# Allegro board LED_FIN.brd (continued)
## Routing (per net, layer and track width the routed paths; a pad name or vN(x,y) marks a point on that pad's centre or on a via; arc(x,y) is an arc through that point) (continued)
COL_OUT_A8: length 259.4
  TOP w0.15: D3742.1 v1(261.25,372.8) ; D4072.1 v1(261.25,350.8) ; D3682.1 v1(261.25,376.8) ; D4432.1 v1(261.25,326.8) ; D3832.1 v1(261.25,366.8) ; D3982.1 v1(261.25,356.8) ; D4282.1 v1(261.25,336.8) ; D4192.1 v1(261.25,342.8) ; D3652.1 v1(261.25,378.8) ; D3922.1 v1(261.25,360.8) ; D3562.1 v1(261.25,384.8) ; D4042.1 v1(261.25,352.8) ; D3472.1 v1(261.25,390.8) ; D3952.1 v1(261.25,358.8) ; D3532.1 v1(261.25,386.8) ; D4342.1 v1(261.25,332.8) ; D4222.1 v1(261.25,340.8) ; D4372.1 v1(261.25,330.8) ; D4102.1 v1(261.25,348.8) ; D4312.1 v1(261.25,334.8) ; D4012.1 v1(261.25,354.8) ; D4132.1 v1(261.25,346.8) ; D3442.1 v1(261.25,392.8) ; D3772.1 v1(261.25,370.8) ; D3502.1 v1(261.25,388.8) ; D4462.1 v1(261.25,324.8) ; v1(259.95,161.1) R112.1 ; D3892.1 v1(261.25,362.8) ; D3592.1 v1(261.25,382.8) ; D4252.1 v1(261.25,338.8) ; D3622.1 v1(261.25,380.8) ; D4162.1 v1(261.25,344.8) ; D3862.1 v1(261.25,364.8) ; D4402.1 v1(261.25,328.8) ; D4552.1 v1(261.25,318.8) ; D4522.1 v1(261.25,320.8) ; D3802.1 v1(261.25,368.8) ; D3712.1 v1(261.25,374.8) ; D4492.1 v1(261.25,322.8)
  BOTTOM w0.15: v1(261.25,392.8) v1(261.25,390.8) v1(261.25,388.8) v1(261.25,386.8) v1(261.25,384.8) v1(261.25,382.8) v1(261.25,380.8) v1(261.25,378.8) v1(261.25,376.8) v1(261.25,374.8) v1(261.25,372.8) v1(261.25,370.8) v1(261.25,368.8) v1(261.25,366.8) v1(261.25,364.8) v1(261.25,362.8) v1(261.25,360.8) v1(261.25,358.8) v1(261.25,356.8) v1(261.25,354.8) v1(261.25,352.8) v1(261.25,350.8) v1(261.25,348.8) v1(261.25,346.8) v1(261.25,344.8) v1(261.25,342.8) v1(261.25,340.8) v1(261.25,338.8) v1(261.25,336.8) v1(261.25,334.8) v1(261.25,332.8) v1(261.25,330.8) v1(261.25,328.8) v1(261.25,326.8) v1(261.25,324.8) v1(261.25,322.8) v1(261.25,320.8) v1(261.25,318.8) 259.95,317.5 v1(259.95,161.1)
COL_OUT_A9: length 259.4
  TOP w0.15: D4431.1 v1(259.25,326.8) ; D3471.1 v1(259.25,390.8) ; D4341.1 v1(259.25,332.8) ; D4161.1 v1(259.25,344.8) ; D3441.1 v1(259.25,392.8) ; D3741.1 v1(259.25,372.8) ; D4371.1 v1(259.25,330.8) ; D3681.1 v1(259.25,376.8) ; D4011.1 v1(259.25,354.8) ; D4521.1 v1(259.25,320.8) ; D4491.1 v1(259.25,322.8) ; D3831.1 v1(259.25,366.8) ; D4041.1 v1(259.25,352.8) ; D3891.1 v1(259.25,362.8) ; D4281.1 v1(259.25,336.8) ; D4551.1 v1(259.25,318.8) ; D3711.1 v1(259.25,374.8) ; D3531.1 v1(259.25,386.8) ; D4131.1 v1(259.25,346.8) ; D3501.1 v1(259.25,388.8) ; D4221.1 v1(259.25,340.8) ; D3771.1 v1(259.25,370.8) ; D4191.1 v1(259.25,342.8) ; D4101.1 v1(259.25,348.8) ; D4251.1 v1(259.25,338.8) ; D3801.1 v1(259.25,368.8) ; D3921.1 v1(259.25,360.8) ; D4461.1 v1(259.25,324.8) ; D4401.1 v1(259.25,328.8) ; D3951.1 v1(259.25,358.8) ; D3651.1 v1(259.25,378.8) ; D4311.1 v1(259.25,334.8) ; v1(257.95,161.1) R111.1 ; D4071.1 v1(259.25,350.8) ; D3981.1 v1(259.25,356.8) ; D3861.1 v1(259.25,364.8) ; D3561.1 v1(259.25,384.8) ; D3591.1 v1(259.25,382.8) ; D3621.1 v1(259.25,380.8)
  BOTTOM w0.15: v1(257.95,161.1) 257.95,317.5 v1(259.25,318.8) v1(259.25,320.8) v1(259.25,322.8) v1(259.25,324.8) v1(259.25,326.8) v1(259.25,328.8) v1(259.25,330.8) v1(259.25,332.8) v1(259.25,334.8) v1(259.25,336.8) v1(259.25,338.8) v1(259.25,340.8) v1(259.25,342.8) v1(259.25,344.8) v1(259.25,346.8) v1(259.25,348.8) v1(259.25,350.8) v1(259.25,352.8) v1(259.25,354.8) v1(259.25,356.8) v1(259.25,358.8) v1(259.25,360.8) v1(259.25,362.8) v1(259.25,364.8) v1(259.25,366.8) v1(259.25,368.8) v1(259.25,370.8) v1(259.25,372.8) v1(259.25,374.8) v1(259.25,376.8) v1(259.25,378.8) v1(259.25,380.8) v1(259.25,382.8) v1(259.25,384.8) v1(259.25,386.8) v1(259.25,388.8) v1(259.25,390.8) v1(259.25,392.8)
COL_OUT_A10: length 259.4
  TOP w0.15: D3500.1 v1(257.25,388.8) ; D4550.1 v1(257.25,318.8) ; D4370.1 v1(257.25,330.8) ; D3770.1 v1(257.25,370.8) ; D4520.1 v1(257.25,320.8) ; D4310.1 v1(257.25,334.8) ; D3740.1 v1(257.25,372.8) ; D4430.1 v1(257.25,326.8) ; D3680.1 v1(257.25,376.8) ; D3470.1 v1(257.25,390.8) ; D3800.1 v1(257.25,368.8) ; D4460.1 v1(257.25,324.8) ; D3620.1 v1(257.25,380.8) ; D4490.1 v1(257.25,322.8) ; D3590.1 v1(257.25,382.8) ; D3980.1 v1(257.25,356.8) ; D3440.1 v1(257.25,392.8) ; D3920.1 v1(257.25,360.8) ; D3530.1 v1(257.25,386.8) ; D4280.1 v1(257.25,336.8) ; D3710.1 v1(257.25,374.8) ; D4190.1 v1(257.25,342.8) ; D3950.1 v1(257.25,358.8) ; D3560.1 v1(257.25,384.8) ; D4130.1 v1(257.25,346.8) ; D4010.1 v1(257.25,354.8) ; D3860.1 v1(257.25,364.8) ; D4040.1 v1(257.25,352.8) ; D3650.1 v1(257.25,378.8) ; D3890.1 v1(257.25,362.8) ; D4220.1 v1(257.25,340.8) ; D4400.1 v1(257.25,328.8) ; D4340.1 v1(257.25,332.8) ; D4070.1 v1(257.25,350.8) ; v1(255.95,161.1) R110.1 ; D3830.1 v1(257.25,366.8) ; D4250.1 v1(257.25,338.8) ; D4100.1 v1(257.25,348.8) ; D4160.1 v1(257.25,344.8)
  BOTTOM w0.15: v1(257.25,392.8) v1(257.25,390.8) v1(257.25,388.8) v1(257.25,386.8) v1(257.25,384.8) v1(257.25,382.8) v1(257.25,380.8) v1(257.25,378.8) v1(257.25,376.8) v1(257.25,374.8) v1(257.25,372.8) v1(257.25,370.8) v1(257.25,368.8) v1(257.25,366.8) v1(257.25,364.8) v1(257.25,362.8) v1(257.25,360.8) v1(257.25,358.8) v1(257.25,356.8) v1(257.25,354.8) v1(257.25,352.8) v1(257.25,350.8) v1(257.25,348.8) v1(257.25,346.8) v1(257.25,344.8) v1(257.25,342.8) v1(257.25,340.8) v1(257.25,338.8) v1(257.25,336.8) v1(257.25,334.8) v1(257.25,332.8) v1(257.25,330.8) v1(257.25,328.8) v1(257.25,326.8) v1(257.25,324.8) v1(257.25,322.8) v1(257.25,320.8) v1(257.25,318.8) 255.95,317.5 v1(255.95,161.1)
COL_OUT_A11: length 259.4
  TOP w0.15: D3919.1 v1(255.25,360.8) ; D4069.1 v1(255.25,350.8) ; D4189.1 v1(255.25,342.8) ; D3979.1 v1(255.25,356.8) ; D3679.1 v1(255.25,376.8) ; D3769.1 v1(255.25,370.8) ; D3889.1 v1(255.25,362.8) ; D3439.1 v1(255.25,392.8) ; D3949.1 v1(255.25,358.8) ; D4129.1 v1(255.25,346.8) ; D4369.1 v1(255.25,330.8) ; D4159.1 v1(255.25,344.8) ; D4549.1 v1(255.25,318.8) ; D4309.1 v1(255.25,334.8) ; D4519.1 v1(255.25,320.8) ; v1(253.95,161.1) R109.1 ; D3859.1 v1(255.25,364.8) ; D3499.1 v1(255.25,388.8) ; D3649.1 v1(255.25,378.8) ; D4039.1 v1(255.25,352.8) ; D3799.1 v1(255.25,368.8) ; D3829.1 v1(255.25,366.8) ; D3529.1 v1(255.25,386.8) ; D4279.1 v1(255.25,336.8) ; D3739.1 v1(255.25,372.8) ; D4219.1 v1(255.25,340.8) ; D3709.1 v1(255.25,374.8) ; D4459.1 v1(255.25,324.8) ; D4339.1 v1(255.25,332.8) ; D4429.1 v1(255.25,326.8) ; D3589.1 v1(255.25,382.8) ; D4009.1 v1(255.25,354.8) ; D4399.1 v1(255.25,328.8) ; D4249.1 v1(255.25,338.8) ; D3619.1 v1(255.25,380.8) ; D4099.1 v1(255.25,348.8) ; D4489.1 v1(255.25,322.8) ; D3469.1 v1(255.25,390.8) ; D3559.1 v1(255.25,384.8)
  BOTTOM w0.15: v1(253.95,161.1) 253.95,317.5 v1(255.25,318.8) v1(255.25,320.8) v1(255.25,322.8) v1(255.25,324.8) v1(255.25,326.8) v1(255.25,328.8) v1(255.25,330.8) v1(255.25,332.8) v1(255.25,334.8) v1(255.25,336.8) v1(255.25,338.8) v1(255.25,340.8) v1(255.25,342.8) v1(255.25,344.8) v1(255.25,346.8) v1(255.25,348.8) v1(255.25,350.8) v1(255.25,352.8) v1(255.25,354.8) v1(255.25,356.8) v1(255.25,358.8) v1(255.25,360.8) v1(255.25,362.8) v1(255.25,364.8) v1(255.25,366.8) v1(255.25,368.8) v1(255.25,370.8) v1(255.25,372.8) v1(255.25,374.8) v1(255.25,376.8) v1(255.25,378.8) v1(255.25,380.8) v1(255.25,382.8) v1(255.25,384.8) v1(255.25,386.8) v1(255.25,388.8) v1(255.25,390.8) v1(255.25,392.8)
COL_OUT_A12: length 259.4
  TOP w0.15: D4278.1 v1(253.25,336.8) ; D4068.1 v1(253.25,350.8) ; D3438.1 v1(253.25,392.8) ; D3798.1 v1(253.25,368.8) ; D3618.1 v1(253.25,380.8) ; D3678.1 v1(253.25,376.8) ; D3528.1 v1(253.25,386.8) ; D4128.1 v1(253.25,346.8) ; D4098.1 v1(253.25,348.8) ; D4158.1 v1(253.25,344.8) ; D3948.1 v1(253.25,358.8) ; D4428.1 v1(253.25,326.8) ; D3918.1 v1(253.25,360.8) ; D3498.1 v1(253.25,388.8) ; D3468.1 v1(253.25,390.8) ; D3558.1 v1(253.25,384.8) ; D4518.1 v1(253.25,320.8) ; v1(251.95,161.1) R108.1 ; D4488.1 v1(253.25,322.8) ; D4008.1 v1(253.25,354.8) ; D4248.1 v1(253.25,338.8) ; D4218.1 v1(253.25,340.8) ; D3828.1 v1(253.25,366.8) ; D3768.1 v1(253.25,370.8) ; D4458.1 v1(253.25,324.8) ; D4038.1 v1(253.25,352.8) ; D4188.1 v1(253.25,342.8) ; D4548.1 v1(253.25,318.8) ; D3888.1 v1(253.25,362.8) ; D4338.1 v1(253.25,332.8) ; D3648.1 v1(253.25,378.8) ; D3738.1 v1(253.25,372.8) ; D3978.1 v1(253.25,356.8) ; D4398.1 v1(253.25,328.8) ; D3858.1 v1(253.25,364.8) ; D4368.1 v1(253.25,330.8) ; D4308.1 v1(253.25,334.8) ; D3708.1 v1(253.25,374.8) ; D3588.1 v1(253.25,382.8)
  BOTTOM w0.15: v1(251.95,161.1) 251.95,317.5 v1(253.25,318.8) v1(253.25,320.8) v1(253.25,322.8) v1(253.25,324.8) v1(253.25,326.8) v1(253.25,328.8) v1(253.25,330.8) v1(253.25,332.8) v1(253.25,334.8) v1(253.25,336.8) v1(253.25,338.8) v1(253.25,340.8) v1(253.25,342.8) v1(253.25,344.8) v1(253.25,346.8) v1(253.25,348.8) v1(253.25,350.8) v1(253.25,352.8) v1(253.25,354.8) v1(253.25,356.8) v1(253.25,358.8) v1(253.25,360.8) v1(253.25,362.8) v1(253.25,364.8) v1(253.25,366.8) v1(253.25,368.8) v1(253.25,370.8) v1(253.25,372.8) v1(253.25,374.8) v1(253.25,376.8) v1(253.25,378.8) v1(253.25,380.8) v1(253.25,382.8) v1(253.25,384.8) v1(253.25,386.8) v1(253.25,388.8) v1(253.25,390.8) v1(253.25,392.8)
COL_OUT_A13: length 259.4
  TOP w0.15: D3887.1 v1(251.25,362.8) ; D4277.1 v1(251.25,336.8) ; D3797.1 v1(251.25,368.8) ; D3947.1 v1(251.25,358.8) ; D4127.1 v1(251.25,346.8) ; D4307.1 v1(251.25,334.8) ; D4067.1 v1(251.25,350.8) ; D3917.1 v1(251.25,360.8) ; D4427.1 v1(251.25,326.8) ; v1(249.95,161.1) R107.1 ; D3527.1 v1(251.25,386.8) ; D3857.1 v1(251.25,364.8) ; D4337.1 v1(251.25,332.8) ; D3707.1 v1(251.25,374.8) ; D3647.1 v1(251.25,378.8) ; D3467.1 v1(251.25,390.8) ; D4247.1 v1(251.25,338.8) ; D3737.1 v1(251.25,372.8) ; D3677.1 v1(251.25,376.8) ; D4217.1 v1(251.25,340.8) ; D4397.1 v1(251.25,328.8) ; D3767.1 v1(251.25,370.8) ; D3827.1 v1(251.25,366.8) ; D3497.1 v1(251.25,388.8) ; D3437.1 v1(251.25,392.8) ; D4097.1 v1(251.25,348.8) ; D4007.1 v1(251.25,354.8) ; D4487.1 v1(251.25,322.8) ; D3617.1 v1(251.25,380.8) ; D3587.1 v1(251.25,382.8) ; D4457.1 v1(251.25,324.8) ; D4367.1 v1(251.25,330.8) ; D3557.1 v1(251.25,384.8) ; D4037.1 v1(251.25,352.8) ; D4157.1 v1(251.25,344.8) ; D4517.1 v1(251.25,320.8) ; D4547.1 v1(251.25,318.8) ; D4187.1 v1(251.25,342.8) ; D3977.1 v1(251.25,356.8)
  BOTTOM w0.15: v1(251.25,392.8) v1(251.25,390.8) v1(251.25,388.8) v1(251.25,386.8) v1(251.25,384.8) v1(251.25,382.8) v1(251.25,380.8) v1(251.25,378.8) v1(251.25,376.8) v1(251.25,374.8) v1(251.25,372.8) v1(251.25,370.8) v1(251.25,368.8) v1(251.25,366.8) v1(251.25,364.8) v1(251.25,362.8) v1(251.25,360.8) v1(251.25,358.8) v1(251.25,356.8) v1(251.25,354.8) v1(251.25,352.8) v1(251.25,350.8) v1(251.25,348.8) v1(251.25,346.8) v1(251.25,344.8) v1(251.25,342.8) v1(251.25,340.8) v1(251.25,338.8) v1(251.25,336.8) v1(251.25,334.8) v1(251.25,332.8) v1(251.25,330.8) v1(251.25,328.8) v1(251.25,326.8) v1(251.25,324.8) v1(251.25,322.8) v1(251.25,320.8) v1(251.25,318.8) 249.95,317.5 v1(249.95,161.1)
COL_OUT_A14: length 259.4
  TOP w0.15: D3496.1 v1(249.25,388.8) ; D3736.1 v1(249.25,372.8) ; D3706.1 v1(249.25,374.8) ; D3436.1 v1(249.25,392.8) ; D3916.1 v1(249.25,360.8) ; D4096.1 v1(249.25,348.8) ; D4426.1 v1(249.25,326.8) ; D4456.1 v1(249.25,324.8) ; D3466.1 v1(249.25,390.8) ; D4306.1 v1(249.25,334.8) ; D4126.1 v1(249.25,346.8) ; D4546.1 v1(249.25,318.8) ; D3946.1 v1(249.25,358.8) ; D4516.1 v1(249.25,320.8) ; D3676.1 v1(249.25,376.8) ; D3826.1 v1(249.25,366.8) ; D4006.1 v1(249.25,354.8) ; D4066.1 v1(249.25,350.8) ; D4036.1 v1(249.25,352.8) ; D3886.1 v1(249.25,362.8) ; D3586.1 v1(249.25,382.8) ; D3766.1 v1(249.25,370.8) ; D4276.1 v1(249.25,336.8) ; D3526.1 v1(249.25,386.8) ; D3856.1 v1(249.25,364.8) ; D3796.1 v1(249.25,368.8) ; D4156.1 v1(249.25,344.8) ; D3976.1 v1(249.25,356.8) ; v1(247.95,161.1) R106.1 ; D4246.1 v1(249.25,338.8) ; D4366.1 v1(249.25,330.8) ; D4396.1 v1(249.25,328.8) ; D4186.1 v1(249.25,342.8) ; D3646.1 v1(249.25,378.8) ; D3616.1 v1(249.25,380.8) ; D4486.1 v1(249.25,322.8) ; D3556.1 v1(249.25,384.8) ; D4216.1 v1(249.25,340.8) ; D4336.1 v1(249.25,332.8)
  BOTTOM w0.15: v1(247.95,161.1) 247.95,317.5 v1(249.25,318.8) v1(249.25,320.8) v1(249.25,322.8) v1(249.25,324.8) v1(249.25,326.8) v1(249.25,328.8) v1(249.25,330.8) v1(249.25,332.8) v1(249.25,334.8) v1(249.25,336.8) v1(249.25,338.8) v1(249.25,340.8) v1(249.25,342.8) v1(249.25,344.8) v1(249.25,346.8) v1(249.25,348.8) v1(249.25,350.8) v1(249.25,352.8) v1(249.25,354.8) v1(249.25,356.8) v1(249.25,358.8) v1(249.25,360.8) v1(249.25,362.8) v1(249.25,364.8) v1(249.25,366.8) v1(249.25,368.8) v1(249.25,370.8) v1(249.25,372.8) v1(249.25,374.8) v1(249.25,376.8) v1(249.25,378.8) v1(249.25,380.8) v1(249.25,382.8) v1(249.25,384.8) v1(249.25,386.8) v1(249.25,388.8) v1(249.25,390.8) v1(249.25,392.8)
COL_OUT_A15: length 259.4
  TOP w0.15: D3855.1 v1(247.25,364.8) ; D4515.1 v1(247.25,320.8) ; v1(245.95,161.1) R105.1 ; D3795.1 v1(247.25,368.8) ; D3975.1 v1(247.25,356.8) ; D4125.1 v1(247.25,346.8) ; D3555.1 v1(247.25,384.8) ; D3705.1 v1(247.25,374.8) ; D3495.1 v1(247.25,388.8) ; D3465.1 v1(247.25,390.8) ; D4305.1 v1(247.25,334.8) ; D3945.1 v1(247.25,358.8) ; D3525.1 v1(247.25,386.8) ; D4455.1 v1(247.25,324.8) ; D4245.1 v1(247.25,338.8) ; D3435.1 v1(247.25,392.8) ; D3645.1 v1(247.25,378.8) ; D4485.1 v1(247.25,322.8) ; D4185.1 v1(247.25,342.8) ; D4545.1 v1(247.25,318.8) ; D4365.1 v1(247.25,330.8) ; D4035.1 v1(247.25,352.8) ; D4275.1 v1(247.25,336.8) ; D3675.1 v1(247.25,376.8) ; D4425.1 v1(247.25,326.8) ; D4395.1 v1(247.25,328.8) ; D3735.1 v1(247.25,372.8) ; D4215.1 v1(247.25,340.8) ; D3765.1 v1(247.25,370.8) ; D4155.1 v1(247.25,344.8) ; D4005.1 v1(247.25,354.8) ; D3585.1 v1(247.25,382.8) ; D4335.1 v1(247.25,332.8) ; D4065.1 v1(247.25,350.8) ; D3615.1 v1(247.25,380.8) ; D3885.1 v1(247.25,362.8) ; D4095.1 v1(247.25,348.8) ; D3915.1 v1(247.25,360.8) ; D3825.1 v1(247.25,366.8)
  BOTTOM w0.15: v1(245.95,161.1) 245.95,317.5 v1(247.25,318.8) v1(247.25,320.8) v1(247.25,322.8) v1(247.25,324.8) v1(247.25,326.8) v1(247.25,328.8) v1(247.25,330.8) v1(247.25,332.8) v1(247.25,334.8) v1(247.25,336.8) v1(247.25,338.8) v1(247.25,340.8) v1(247.25,342.8) v1(247.25,344.8) v1(247.25,346.8) v1(247.25,348.8) v1(247.25,350.8) v1(247.25,352.8) v1(247.25,354.8) v1(247.25,356.8) v1(247.25,358.8) v1(247.25,360.8) v1(247.25,362.8) v1(247.25,364.8) v1(247.25,366.8) v1(247.25,368.8) v1(247.25,370.8) v1(247.25,372.8) v1(247.25,374.8) v1(247.25,376.8) v1(247.25,378.8) v1(247.25,380.8) v1(247.25,382.8) v1(247.25,384.8) v1(247.25,386.8) v1(247.25,388.8) v1(247.25,390.8) v1(247.25,392.8)
COL_OUT_A16: length 259.4
  TOP w0.15: D4064.1 v1(245.25,350.8) ; D3824.1 v1(245.25,366.8) ; D3614.1 v1(245.25,380.8) ; D4394.1 v1(245.25,328.8) ; D3914.1 v1(245.25,360.8) ; D4364.1 v1(245.25,330.8) ; D4304.1 v1(245.25,334.8) ; D3434.1 v1(245.25,392.8) ; D4454.1 v1(245.25,324.8) ; D3644.1 v1(245.25,378.8) ; D4004.1 v1(245.25,354.8) ; D3794.1 v1(245.25,368.8) ; D3554.1 v1(245.25,384.8) ; D3884.1 v1(245.25,362.8) ; D4274.1 v1(245.25,336.8) ; v1(243.95,161.1) R104.1 ; D4424.1 v1(245.25,326.8) ; D3704.1 v1(245.25,374.8) ; D3524.1 v1(245.25,386.8) ; D4244.1 v1(245.25,338.8) ; D4514.1 v1(245.25,320.8) ; D3944.1 v1(245.25,358.8) ; D3464.1 v1(245.25,390.8) ; D4214.1 v1(245.25,340.8) ; D4544.1 v1(245.25,318.8) ; D4184.1 v1(245.25,342.8) ; D3854.1 v1(245.25,364.8) ; D3974.1 v1(245.25,356.8) ; D4124.1 v1(245.25,346.8) ; D3764.1 v1(245.25,370.8) ; D4334.1 v1(245.25,332.8) ; D3734.1 v1(245.25,372.8) ; D4484.1 v1(245.25,322.8) ; D3674.1 v1(245.25,376.8) ; D3584.1 v1(245.25,382.8) ; D4154.1 v1(245.25,344.8) ; D4034.1 v1(245.25,352.8) ; D4094.1 v1(245.25,348.8) ; D3494.1 v1(245.25,388.8)
  BOTTOM w0.15: v1(245.25,392.8) v1(245.25,390.8) v1(245.25,388.8) v1(245.25,386.8) v1(245.25,384.8) v1(245.25,382.8) v1(245.25,380.8) v1(245.25,378.8) v1(245.25,376.8) v1(245.25,374.8) v1(245.25,372.8) v1(245.25,370.8) v1(245.25,368.8) v1(245.25,366.8) v1(245.25,364.8) v1(245.25,362.8) v1(245.25,360.8) v1(245.25,358.8) v1(245.25,356.8) v1(245.25,354.8) v1(245.25,352.8) v1(245.25,350.8) v1(245.25,348.8) v1(245.25,346.8) v1(245.25,344.8) v1(245.25,342.8) v1(245.25,340.8) v1(245.25,338.8) v1(245.25,336.8) v1(245.25,334.8) v1(245.25,332.8) v1(245.25,330.8) v1(245.25,328.8) v1(245.25,326.8) v1(245.25,324.8) v1(245.25,322.8) v1(245.25,320.8) v1(245.25,318.8) 243.95,317.5 v1(243.95,161.1)
COL_OUT_A17: length 259.4
  TOP w0.15: D4183.1 v1(243.25,342.8) ; D4393.1 v1(243.25,328.8) ; D3733.1 v1(243.25,372.8) ; D4333.1 v1(243.25,332.8) ; D4243.1 v1(243.25,338.8) ; D4513.1 v1(243.25,320.8) ; D4213.1 v1(243.25,340.8) ; D3943.1 v1(243.25,358.8) ; D3433.1 v1(243.25,392.8) ; D4483.1 v1(243.25,322.8) ; D3523.1 v1(243.25,386.8) ; D3553.1 v1(243.25,384.8) ; D3703.1 v1(243.25,374.8) ; D3613.1 v1(243.25,380.8) ; D4423.1 v1(243.25,326.8) ; D3643.1 v1(243.25,378.8) ; D3883.1 v1(243.25,362.8) ; D4003.1 v1(243.25,354.8) ; D3583.1 v1(243.25,382.8) ; D3493.1 v1(243.25,388.8) ; D3913.1 v1(243.25,360.8) ; D4363.1 v1(243.25,330.8) ; D4033.1 v1(243.25,352.8) ; D4123.1 v1(243.25,346.8) ; D4153.1 v1(243.25,344.8) ; v1(241.95,161.1) R103.1 ; D3673.1 v1(243.25,376.8) ; D3853.1 v1(243.25,364.8) ; D3823.1 v1(243.25,366.8) ; D3793.1 v1(243.25,368.8) ; D4543.1 v1(243.25,318.8) ; D3763.1 v1(243.25,370.8) ; D4303.1 v1(243.25,334.8) ; D4093.1 v1(243.25,348.8) ; D3463.1 v1(243.25,390.8) ; D3973.1 v1(243.25,356.8) ; D4453.1 v1(243.25,324.8) ; D4273.1 v1(243.25,336.8) ; D4063.1 v1(243.25,350.8)
  BOTTOM w0.15: v1(241.95,161.1) 241.95,317.5 v1(243.25,318.8) v1(243.25,320.8) v1(243.25,322.8) v1(243.25,324.8) v1(243.25,326.8) v1(243.25,328.8) v1(243.25,330.8) v1(243.25,332.8) v1(243.25,334.8) v1(243.25,336.8) v1(243.25,338.8) v1(243.25,340.8) v1(243.25,342.8) v1(243.25,344.8) v1(243.25,346.8) v1(243.25,348.8) v1(243.25,350.8) v1(243.25,352.8) v1(243.25,354.8) v1(243.25,356.8) v1(243.25,358.8) v1(243.25,360.8) v1(243.25,362.8) v1(243.25,364.8) v1(243.25,366.8) v1(243.25,368.8) v1(243.25,370.8) v1(243.25,372.8) v1(243.25,374.8) v1(243.25,376.8) v1(243.25,378.8) v1(243.25,380.8) v1(243.25,382.8) v1(243.25,384.8) v1(243.25,386.8) v1(243.25,388.8) v1(243.25,390.8) v1(243.25,392.8)
COL_OUT_A18: length 259.4
  TOP w0.15: D4272.1 v1(241.25,336.8) ; D4182.1 v1(241.25,342.8) ; D3552.1 v1(241.25,384.8) ; D3792.1 v1(241.25,368.8) ; D4452.1 v1(241.25,324.8) ; D3912.1 v1(241.25,360.8) ; D3822.1 v1(241.25,366.8) ; D3432.1 v1(241.25,392.8) ; D4422.1 v1(241.25,326.8) ; D3732.1 v1(241.25,372.8) ; D4392.1 v1(241.25,328.8) ; D4242.1 v1(241.25,338.8) ; D4062.1 v1(241.25,350.8) ; D3582.1 v1(241.25,382.8) ; D3612.1 v1(241.25,380.8) ; D4212.1 v1(241.25,340.8) ; D4002.1 v1(241.25,354.8) ; D3492.1 v1(241.25,388.8) ; D4152.1 v1(241.25,344.8) ; D3462.1 v1(241.25,390.8) ; v1(239.95,161.1) R102.1 ; D4122.1 v1(241.25,346.8) ; D4302.1 v1(241.25,334.8) ; D3882.1 v1(241.25,362.8) ; D4482.1 v1(241.25,322.8) ; D3972.1 v1(241.25,356.8) ; D4512.1 v1(241.25,320.8) ; D3852.1 v1(241.25,364.8) ; D3672.1 v1(241.25,376.8) ; D3522.1 v1(241.25,386.8) ; D3942.1 v1(241.25,358.8) ; D4092.1 v1(241.25,348.8) ; D4332.1 v1(241.25,332.8) ; D4032.1 v1(241.25,352.8) ; D3762.1 v1(241.25,370.8) ; D3642.1 v1(241.25,378.8) ; D3702.1 v1(241.25,374.8) ; D4362.1 v1(241.25,330.8) ; D4542.1 v1(241.25,318.8)
  BOTTOM w0.15: v1(241.25,392.8) v1(241.25,390.8) v1(241.25,388.8) v1(241.25,386.8) v1(241.25,384.8) v1(241.25,382.8) v1(241.25,380.8) v1(241.25,378.8) v1(241.25,376.8) v1(241.25,374.8) v1(241.25,372.8) v1(241.25,370.8) v1(241.25,368.8) v1(241.25,366.8) v1(241.25,364.8) v1(241.25,362.8) v1(241.25,360.8) v1(241.25,358.8) v1(241.25,356.8) v1(241.25,354.8) v1(241.25,352.8) v1(241.25,350.8) v1(241.25,348.8) v1(241.25,346.8) v1(241.25,344.8) v1(241.25,342.8) v1(241.25,340.8) v1(241.25,338.8) v1(241.25,336.8) v1(241.25,334.8) v1(241.25,332.8) v1(241.25,330.8) v1(241.25,328.8) v1(241.25,326.8) v1(241.25,324.8) v1(241.25,322.8) v1(241.25,320.8) v1(241.25,318.8) 239.95,317.5 v1(239.95,161.1)
COL_OUT_A19: length 259.4
  TOP w0.15: v1(237.95,161.1) R101.1 ; D4421.1 v1(239.25,326.8) ; D3491.1 v1(239.25,388.8) ; D4331.1 v1(239.25,332.8) ; D4481.1 v1(239.25,322.8) ; D3941.1 v1(239.25,358.8) ; D4121.1 v1(239.25,346.8) ; D4541.1 v1(239.25,318.8) ; D4211.1 v1(239.25,340.8) ; D3431.1 v1(239.25,392.8) ; D4061.1 v1(239.25,350.8) ; D3641.1 v1(239.25,378.8) ; D3521.1 v1(239.25,386.8) ; D4391.1 v1(239.25,328.8) ; D4181.1 v1(239.25,342.8) ; D4301.1 v1(239.25,334.8) ; D3701.1 v1(239.25,374.8) ; D4361.1 v1(239.25,330.8) ; D3881.1 v1(239.25,362.8) ; D4001.1 v1(239.25,354.8) ; D3851.1 v1(239.25,364.8) ; D3731.1 v1(239.25,372.8) ; D3791.1 v1(239.25,368.8) ; D4511.1 v1(239.25,320.8) ; D3971.1 v1(239.25,356.8) ; D4241.1 v1(239.25,338.8) ; D3611.1 v1(239.25,380.8) ; D3821.1 v1(239.25,366.8) ; D4031.1 v1(239.25,352.8) ; D3551.1 v1(239.25,384.8) ; D4151.1 v1(239.25,344.8) ; D4451.1 v1(239.25,324.8) ; D3671.1 v1(239.25,376.8) ; D3911.1 v1(239.25,360.8) ; D3581.1 v1(239.25,382.8) ; D4271.1 v1(239.25,336.8) ; D4091.1 v1(239.25,348.8) ; D3761.1 v1(239.25,370.8) ; D3461.1 v1(239.25,390.8)
  BOTTOM w0.15: v1(239.25,392.8) v1(239.25,390.8) v1(239.25,388.8) v1(239.25,386.8) v1(239.25,384.8) v1(239.25,382.8) v1(239.25,380.8) v1(239.25,378.8) v1(239.25,376.8) v1(239.25,374.8) v1(239.25,372.8) v1(239.25,370.8) v1(239.25,368.8) v1(239.25,366.8) v1(239.25,364.8) v1(239.25,362.8) v1(239.25,360.8) v1(239.25,358.8) v1(239.25,356.8) v1(239.25,354.8) v1(239.25,352.8) v1(239.25,350.8) v1(239.25,348.8) v1(239.25,346.8) v1(239.25,344.8) v1(239.25,342.8) v1(239.25,340.8) v1(239.25,338.8) v1(239.25,336.8) v1(239.25,334.8) v1(239.25,332.8) v1(239.25,330.8) v1(239.25,328.8) v1(239.25,326.8) v1(239.25,324.8) v1(239.25,322.8) v1(239.25,320.8) v1(239.25,318.8) 237.95,317.5 v1(237.95,161.1)
COL_OUT_A20: length 259.4
  TOP w0.15: D4180.1 v1(237.25,342.8) ; D4000.1 v1(237.25,354.8) ; D3760.1 v1(237.25,370.8) ; D4030.1 v1(237.25,352.8) ; D3790.1 v1(237.25,368.8) ; D4480.1 v1(237.25,322.8) ; D4150.1 v1(237.25,344.8) ; D3640.1 v1(237.25,378.8) ; D4060.1 v1(237.25,350.8) ; D3520.1 v1(237.25,386.8) ; D3820.1 v1(237.25,366.8) ; D3580.1 v1(237.25,382.8) ; D4210.1 v1(237.25,340.8) ; D4360.1 v1(237.25,330.8) ; D4090.1 v1(237.25,348.8) ; D3670.1 v1(237.25,376.8) ; D3610.1 v1(237.25,380.8) ; D3490.1 v1(237.25,388.8) ; D3940.1 v1(237.25,358.8) ; D4420.1 v1(237.25,326.8) ; D4330.1 v1(237.25,332.8) ; D4240.1 v1(237.25,338.8) ; D3970.1 v1(237.25,356.8) ; D3850.1 v1(237.25,364.8) ; D4120.1 v1(237.25,346.8) ; D3460.1 v1(237.25,390.8) ; D3550.1 v1(237.25,384.8) ; D4510.1 v1(237.25,320.8) ; D3730.1 v1(237.25,372.8) ; D4450.1 v1(237.25,324.8) ; D4300.1 v1(237.25,334.8) ; D3880.1 v1(237.25,362.8) ; D3430.1 v1(237.25,392.8) ; D4540.1 v1(237.25,318.8) ; D4390.1 v1(237.25,328.8) ; D3910.1 v1(237.25,360.8) ; D3700.1 v1(237.25,374.8) ; v1(235.95,161.1) R100.1 ; D4270.1 v1(237.25,336.8)
  BOTTOM w0.15: v1(235.95,161.1) 235.95,317.5 v1(237.25,318.8) v1(237.25,320.8) v1(237.25,322.8) v1(237.25,324.8) v1(237.25,326.8) v1(237.25,328.8) v1(237.25,330.8) v1(237.25,332.8) v1(237.25,334.8) v1(237.25,336.8) v1(237.25,338.8) v1(237.25,340.8) v1(237.25,342.8) v1(237.25,344.8) v1(237.25,346.8) v1(237.25,348.8) v1(237.25,350.8) v1(237.25,352.8) v1(237.25,354.8) v1(237.25,356.8) v1(237.25,358.8) v1(237.25,360.8) v1(237.25,362.8) v1(237.25,364.8) v1(237.25,366.8) v1(237.25,368.8) v1(237.25,370.8) v1(237.25,372.8) v1(237.25,374.8) v1(237.25,376.8) v1(237.25,378.8) v1(237.25,380.8) v1(237.25,382.8) v1(237.25,384.8) v1(237.25,386.8) v1(237.25,388.8) v1(237.25,390.8) v1(237.25,392.8)
COL_OUT_A21: length 259.4
  TOP w0.15: D3639.1 v1(235.25,378.8) ; D4239.1 v1(235.25,338.8) ; D4269.1 v1(235.25,336.8) ; D3459.1 v1(235.25,390.8) ; D3699.1 v1(235.25,374.8) ; D4119.1 v1(235.25,346.8) ; D3879.1 v1(235.25,362.8) ; D4329.1 v1(235.25,332.8) ; D3759.1 v1(235.25,370.8) ; D3909.1 v1(235.25,360.8) ; D4179.1 v1(235.25,342.8) ; v1(233.95,161.1) R99.1 ; D3429.1 v1(235.25,392.8) ; D4479.1 v1(235.25,322.8) ; D3939.1 v1(235.25,358.8) ; D3789.1 v1(235.25,368.8) ; D4389.1 v1(235.25,328.8) ; D4359.1 v1(235.25,330.8) ; D4419.1 v1(235.25,326.8) ; D3519.1 v1(235.25,386.8) ; D3669.1 v1(235.25,376.8) ; D3729.1 v1(235.25,372.8) ; D3549.1 v1(235.25,384.8) ; D3849.1 v1(235.25,364.8) ; D3609.1 v1(235.25,380.8) ; D4209.1 v1(235.25,340.8) ; D4299.1 v1(235.25,334.8) ; D4059.1 v1(235.25,350.8) ; D3819.1 v1(235.25,366.8) ; D3489.1 v1(235.25,388.8) ; D3999.1 v1(235.25,354.8) ; D4449.1 v1(235.25,324.8) ; D3969.1 v1(235.25,356.8) ; D4029.1 v1(235.25,352.8) ; D4539.1 v1(235.25,318.8) ; D4089.1 v1(235.25,348.8) ; D4149.1 v1(235.25,344.8) ; D4509.1 v1(235.25,320.8) ; D3579.1 v1(235.25,382.8)
  BOTTOM w0.15: v1(233.95,161.1) 233.95,317.5 v1(235.25,318.8) v1(235.25,320.8) v1(235.25,322.8) v1(235.25,324.8) v1(235.25,326.8) v1(235.25,328.8) v1(235.25,330.8) v1(235.25,332.8) v1(235.25,334.8) v1(235.25,336.8) v1(235.25,338.8) v1(235.25,340.8) v1(235.25,342.8) v1(235.25,344.8) v1(235.25,346.8) v1(235.25,348.8) v1(235.25,350.8) v1(235.25,352.8) v1(235.25,354.8) v1(235.25,356.8) v1(235.25,358.8) v1(235.25,360.8) v1(235.25,362.8) v1(235.25,364.8) v1(235.25,366.8) v1(235.25,368.8) v1(235.25,370.8) v1(235.25,372.8) v1(235.25,374.8) v1(235.25,376.8) v1(235.25,378.8) v1(235.25,380.8) v1(235.25,382.8) v1(235.25,384.8) v1(235.25,386.8) v1(235.25,388.8) v1(235.25,390.8) v1(235.25,392.8)